# KiCad board skean.kicad_pcb (continued)
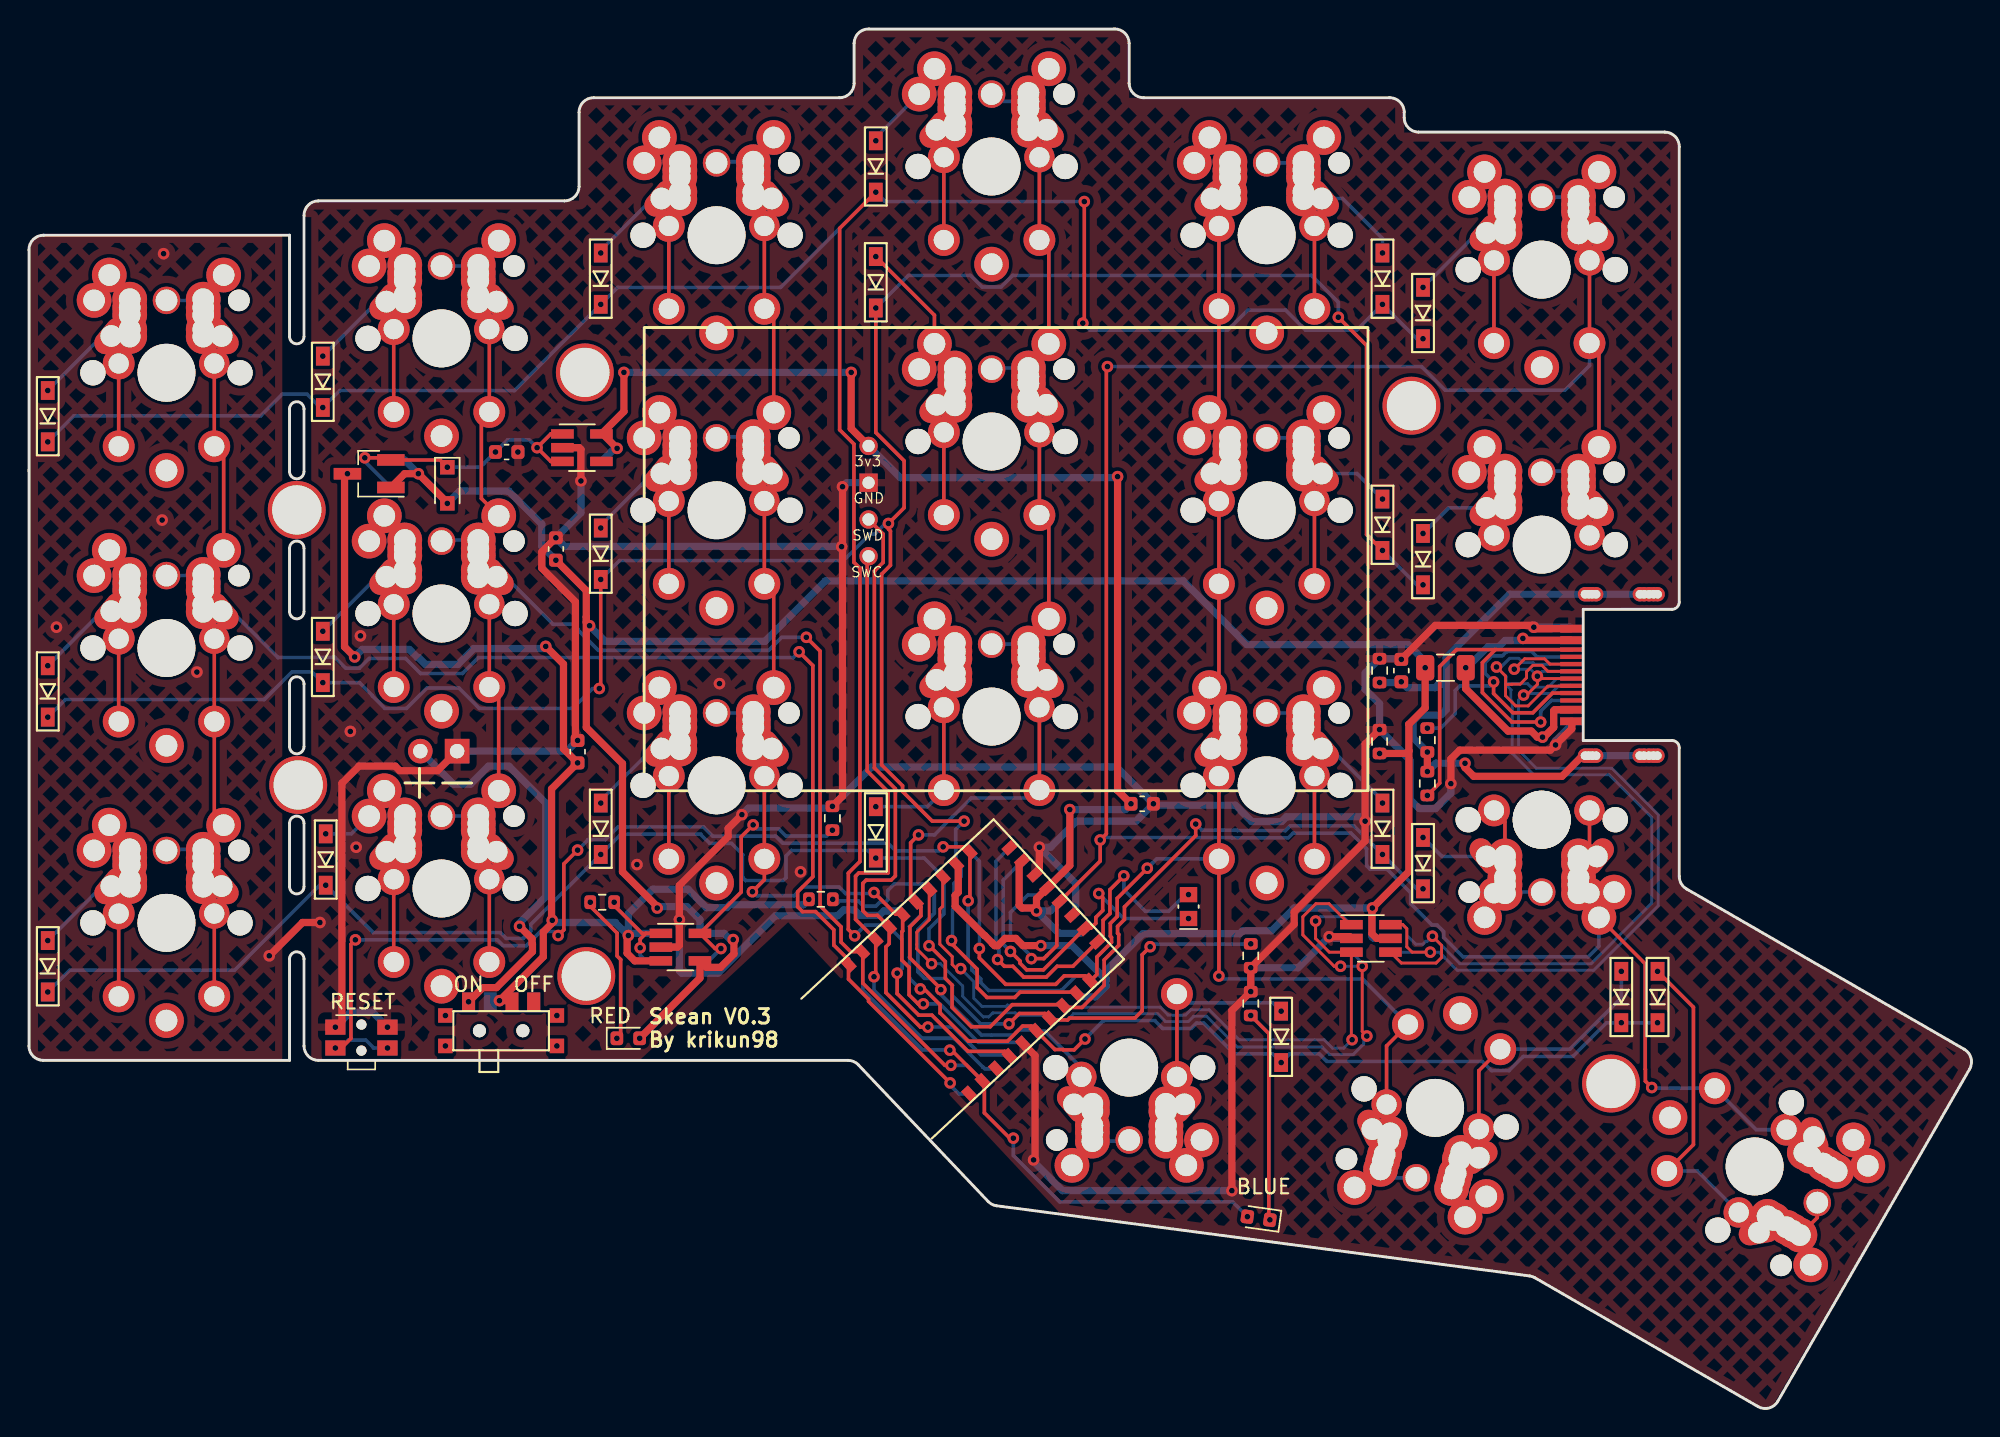
[diagram p0: board, top side]
## Nets
GND: C1.2 C2.2 C3.1 C4.2 C5.2 J2.2 J3.A1 J4.1 R3.2 R6.2 R8.2 R9.2 R10.2 RSW1.2 U1.5 U1.21 U2.2 U3.2 U4.2
GNDS: C3.2 J3.S1 R4.2 R5.2 R10.1
VBAT: C4.1 Q2.3 R2.1 SW1.2 U3.3
VBUS: C5.1 D23.2 D24.2 F1.2 Q2.1 R6.1 U1.27 U3.4 U4.5
/P0.00: U1.11 X1.2
/P0.01: U1.13 X1.1
BATTERY_PIN: R2.2 R3.1 U1.7
BLUE_LED: D25.2 U1.2
CC1: J3.A5 R5.1
CC2: J3.B5 R4.1
COL0: K1.2 K7.2 K13.2 U1.43
COL1: K2.2 K8.2 K14.2 U1.41
COL2: K3.2 K9.2 K15.2 U1.35
COL3: K4.2 K10.2 K16.2 K20.2 U1.33
COL4: K5.1 K11.1 K17.1 K21.2 U1.10
COL5: K6.2 K12.2 K18.1 K22.1 U1.17
DATA+: U1.31 U4.1
DATA-: U1.29 U4.3
nRF_VDD: C2.1 J2.1 U1.19 U1.23 U2.5
RESET: RSW1.1 U1.26
ROW0: D1.1 D2.1 D3.1 D4.1 D5.1 D6.1 U1.4
ROW1: D7.1 D8.1 D9.1 D10.1 D11.1 D12.1 U1.9
ROW2: D13.1 D14.1 D15.1 D16.1 D17.1 D18.1 U1.8
ROW3: D20.1 D21.1 D22.1 U1.6
SWC: J2.4 U1.39
SWD: J2.3 U1.37
USBN: J3.A7 J3.B7 U4.4
USBP: J3.A6 J3.B6 U4.6
Net-(D1-A): D1.2 K1.1
Net-(D2-A): D2.2 K2.1
Net-(D3-A): D3.2 K3.1
Net-(D4-A): D4.2 K4.1
Net-(D5-A): D5.2 K5.2
Net-(D6-A): D6.2 K6.1
Net-(D7-A): D7.2 K7.1
Net-(D8-A): D8.2 K8.1
Net-(D9-A): D9.2 K9.1
Net-(D10-A): D10.2 K10.1
Net-(D11-A): D11.2 K11.2
Net-(D12-A): D12.2 K12.1
Net-(D13-A): D13.2 K13.1
Net-(D14-A): D14.2 K14.1
Net-(D15-A): D15.2 K15.1
Net-(D16-A): D16.2 K16.1
Net-(D17-A): D17.2 K17.2
Net-(D18-A): D18.2 K18.2
Net-(D20-A): D20.2 K20.1
Net-(D21-A): D21.2 K21.1
Net-(D22-A): D22.2 K22.2
Net-(D23-K): C1.1 D23.1 Q2.2 U2.1 U2.3
Net-(D24-K): D24.1 R7.1
Net-(D25-K): D25.1 R9.1
Net-(F1-Pad1): F1.1 J3.A4
Net-(J4-Pin_2): J4.2 SW1.1
Net-(U3-PROG): R8.1 U3.5
Net-(U3-STAT): R7.2 U3.1

Pads without a net: J3 A8 B8; SW1 3 H; U1 1 3 15 25; U2 4

## Via types
v1: diameter 0.8, hole 0.4, Top to Bottom, 200 vias

## Routing (per net, layer and track width the routed paths; a pad name or vN(x,y) marks a point on that pad's centre or on a via; arc(x,y) is an arc through that point)
GND: length 328.8
  Top w0.5: v1(83.1,15.02) 83.1,27.46 v1(84.4,28.77) v1(84.4,30.42) 87.4,33.42 87.4,34.27 92.3,39.17 v1(92.3,40.54) 92.3,45.87 v1(93.3,46.87) ; v1(98.22,43.13) 98.22,44.84 98.83,45.45 105.1,45.45 v1(105.45,45.81) 106.57,46.93 J3.A1 ; v1(21.17,26.31) 21.62,26.76 21.62,43.16 22.8,44.34 25.3,44.34 25.61,44.03 28.22,44.03 J4.1 ; U2.2 38,66.34 38.13,66.22 v1(38.13,64.04) ; v1(49.25,40.99) 48.3,40.04 48.3,39.47 44.93,36.1 v1(44.93,33.74) 44.93,31.97 44.8,31.84 U3.2 ; v1(69.8,38.74) 69.8,37.18 U1.21 ; U4.2 91.23,32.56 v1(89.82,32.56) ; U1.5 69.5,24.35 69.5,17.24 v1(69.4,17.14) ; v1(37.9,46.12) 37.75,46.27 37.75,55.69 35.42,58.02 35.42,59.14 v1(36.4,60.12) ; v1(94.8,51.72) 97.15,54.07 103.83,54.07 v1(103.96,53.94) 104.05,53.84 J3.A1 ; v1(55.5,41.57) 56.2,42.27 v1(56.2,63.64) ; v1(16.6,31.24) 18.9,33.54 v1(20.1,33.54)
  Bottom w0.5: J3.A1 106.47,53.94 v1(103.96,53.94) ; J2.2 56.48,63.92 v1(56.2,63.64) ; U2.2 38,66.34 38.13,66.22 v1(38.13,64.04) 38.13,61.85 v1(36.4,60.12) 37,59.52 56.13,59.52 v1(56.14,59.5) ; v1(77.67,41.74) 77.77,41.64 83.34,41.64 84.46,40.52 86.54,40.52 86.86,40.84 92,40.84 v1(92.3,40.54) ; v1(77.67,41.74) 76.48,40.54 72.37,40.54 70.57,38.74 v1(69.8,38.74) 72.31,36.23 72.31,34.3 U1.21 ; v1(77.67,41.74) 75.13,44.29 58.22,44.29 v1(55.5,41.57) 55.37,41.44 49.7,41.44 v1(49.25,40.99) ; v1(94.8,51.72) 94.75,51.77 v1(93.3,51.77) 92.3,50.77 92.3,49.65 93.3,48.65 v1(93.3,46.87) 95.4,44.77 95.4,42.05 96.04,41.42 97.16,41.42 98.22,42.48 v1(98.22,43.13) ; v1(24.77,26.31) 23.74,27.34 22.2,27.34 v1(21.17,26.31) ; v1(105.45,45.81) 105.45,46.09 106.57,47.21 J3.A1 ; v1(37.9,46.12) 37.16,45.38 J4.1 ; U1.5 60.11,34.34 59.06,34.34 58.75,34.04 57.39,34.04 57.02,34.42 56.27,34.42 55.86,34.01 51.56,34.01 47.6,30.04 45.09,30.04 44.93,30.21 44.93,31.84 U3.2 44.8,31.84 44.93,31.97 v1(44.93,33.74) ; v1(83.1,15.02) 71.4,15.02 69.4,17.02 v1(69.4,17.14) ; U4.2 89.94,32.44 v1(89.82,32.56) 87.67,30.42 v1(84.4,30.42)
  vias: v1(1.9,53.94) v1(9.2,61.34) v1(9.3,79.74) v1(11.6,50.84) v1(22.2,46.74) v1(22.6,38.74) v1(22.9,53.34) v1(33.77,66.04) v1(42,37.54) v1(47.7,50.04) v1(53.3,37.04)
GNDS: length 49.5
  Top w0.5: v1(99.2,44.54) 99.2,44.24 99.8,43.64 105.9,43.64 107.32,45.07 J3.S1 ; v1(96.6,43.97) v1(96.6,45.32)
  Bottom w0.5: v1(96.6,43.97) 97.18,44.54 v1(99.2,44.54) ; v1(93.3,50.12) 94.75,50.12 v1(94.8,50.17) 95.2,49.76 97.14,49.76 97.37,49.99 97.85,49.99 97.9,50.04 ; v1(96.6,45.32) 95.6,46.32 95.6,47.43 96.04,47.87 97.52,47.87 97.9,48.24 97.9,50.04 ; 97.9,50.04 97.9,51.85 102.27,56.22 J3.S1 107.49,56.22 J3.S1 ; J3.S1 J3.S1
VBAT: length 83.9
  Top w0.5: SW1.2 33.29,28.14 v1(32.5,28.14) 35.53,31.17 35.53,32.89 36.15,33.51 v1(36.15,33.69) 36.1,33.74 36.1,42.77 v1(37.9,44.57) 36.92,45.54 36.92,51.39 v1(35.7,52.62) ; v1(22,64.54) 21.8,64.34 21.8,52.59 v1(22.5,51.89) ; v1(41.4,32.64) 41.32,32.56 41.32,31.42 41.85,30.89 U3.3
  Bottom w0.5: v1(22.5,51.89) 23.02,52.41 26.28,52.41 26.84,51.84 26.92,51.84 27.4,51.37 29.62,51.37 30.72,52.47 35.55,52.47 v1(35.7,52.62) ; v1(36.15,33.69) 36.3,33.54 40.5,33.54 v1(41.4,32.64) ; v1(41.4,32.64) 41.55,32.79 U3.3 ; v1(41.4,32.64) 41.4,34.15 43.1,35.84 45.52,35.84 46.8,34.57 48.2,34.57 48.4,34.77 53.5,34.77 v1(53.87,35.14) ; SW1.2 32.42,28.06 v1(32.5,28.14)
VBUS: length 192.7
  Top w0.5: v1(96.45,51.14) 96.45,48.37 95.31,47.23 95.32,47.22 95.32,45.39 ; 38.5,54.64 38.5,56.47 v1(36.4,58.57) ; 38.5,54.64 38.5,47.02 41,44.52 41,37.04 43.4,34.64 v1(43.4,34.54) ; 38.5,54.64 38.5,54.27 v1(38.73,54.04) ; v1(28.9,62.49) 28.9,62.54 v1(26.9,64.54) 25.95,64.54 Q2.1 ; v1(48.65,32.36) 48.7,32.31 48.7,31.37 47.77,30.44 46.8,30.44 U3.4 46.35,29.7 v1(42.19,25.54) ; v1(69.9,31.94) 69.9,31.95 68.87,31.95 68.86,31.94 68.67,31.94 68.17,32.44 67.43,32.44 66.93,31.94 66.71,31.94 66.55,32.09 66.55,32.11 66.03,32.64 66.01,32.64 63.98,34.67 63.98,35.41 64.19,35.63 64.19,37.43 U1.27 ; 95.32,45.39 95.15,45.22 v1(93.3,45.22) ; 95.32,45.39 95.32,37.07 v1(92.8,34.54) 92.77,34.51 92.77,32.77 93.1,32.44 U4.5
  Bottom w0.5: D24.2 v1(42.19,25.54) ; U4.5 92.89,32.44 92.77,32.57 92.77,34.51 v1(92.8,34.54) 87.4,34.54 85.82,32.97 83.84,32.97 83.64,32.77 76.95,32.77 74.4,30.21 74.4,29.61 ; 74.4,29.61 74.4,29.14 73.67,28.41 72.61,28.41 U1.27 ; 74.4,29.61 72.07,31.94 v1(69.9,31.94) ; v1(96.45,51.14) F1.2 96.45,51.57 95.28,52.74 84.13,52.74 79.73,57.14 55.02,57.14 50.84,52.97 39.8,52.97 v1(38.73,54.04) ; Q2.1 25.95,65.49 v1(26.9,64.54) ; v1(36.4,58.57) 35.42,59.54 35.42,61.07 33.15,63.34 29.75,63.34 v1(28.9,62.49) ; v1(48.65,32.36) 48.45,32.36 48.02,32.79 U3.4 46.35,33.74 45.45,34.64 43.5,34.64 v1(43.4,34.54)
(no net):
  vias: v1(28.77,27.11) v1(28.77,25.01) v1(36.47,27.11) v1(36.47,25.01)
/P0.00: length 28.5
  Top w0.25: v1(66.91,30.99) 67.38,30.52 67.97,30.52 68.71,29.77 70.28,29.77 71.03,30.52 72.12,30.52 U1.11 74.2,32.6 74.2,33.69 74.67,34.16 74.67,35.81 v1(75.63,36.76)
  Bottom w0.25: v1(75.63,36.76) 75.63,35.81 77.12,34.32 78.72,34.32 79.87,35.47 v1(80.1,35.47) ; v1(66.91,30.99) 67,31.08 67,31.64 66.8,31.84 66.8,37.77 U1.11
/P0.01: length 24.1
  Top w0.25: v1(73.9,35.54) 74.17,35.27 74.17,34.37 73.7,33.9 73.7,33.49 73.36,33.15 U1.13 70.07,30.27 68.92,30.27 68.47,30.73 68.47,30.88 v1(67.8,31.54)
  Bottom w0.25: U1.13 67.3,36.47 67.3,32.04 v1(67.8,31.54) ; v1(73.9,35.54) 75.63,33.82 v1(80.1,33.82)
BATTERY_PIN: length 44.4
  Top w0.25: v1(77.45,31.87) 76.9,31.32 76.9,27.44 76.4,26.94 71.89,26.94 71.75,26.81 70.63,26.81 U1.7 70.18,27.26 68.41,27.26 v1(67.7,26.54)
  Bottom w0.25: v1(55.52,35.14) 55.82,34.85 56.01,35.04 57.28,35.04 57.65,34.66 58.5,34.66 58.8,34.97 59.18,34.97 59.33,35.11 59.33,35.75 59.78,36.21 61.83,36.21 U1.7 62.54,35.5 62.54,34.18 61.4,33.04 61.4,30.14 61.87,29.68 63.31,29.68 63.8,29.19 63.8,28.47 65.73,26.54 v1(67.7,26.54) ; v1(84.4,32.07) 84.38,32.04 77.62,32.04 v1(77.45,31.87)
BLUE_LED: length 37.6
  Top w0.25: v1(68,18.64) 67.75,18.64 66,20.39 66,22.46 U1.2 63.74,24.72 v1(63.61,24.72)
  Bottom w0.25: v1(68,18.64) 68,17.44 71.2,14.24 83.14,14.24 v1(84.17,13.22) ; v1(63.61,24.72) 63.59,24.74 61.72,24.74 57.6,28.86 57.6,31.46 U1.2
CC1: length 22.2
  Top w0.25: J3.A5 105.25,49.39 103.89,48.03 102.5,48.03 101.17,49.36 v1(101.17,50.16)
  Bottom w0.25: v1(96.6,46.97) 97.51,46.97 98.52,47.98 98.52,49.57 98.84,49.89 100.9,49.89 v1(101.17,50.16) 100.6,50.74 100.6,51.51 101.05,51.97 101.79,51.97 102.09,52.27 103.8,52.27 104.18,51.89 J3.A5
CC2: length 30.3
  Top w0.25: v1(96.6,42.32) 97.45,43.17 97.45,51.23 98.62,52.39 101.3,52.39 ; v1(104.43,47.39) 102.43,47.39 100.4,49.43 100.4,51.49 101.3,52.39 ; 101.3,52.39 J3.B5
  Bottom w0.25: J3.B5 105.17,48.88 104.43,48.14 v1(104.43,47.39)
COL0: length 144.7
  Top w0.25: K1.2 12.04,76.86 K1.2 12.08,74.06 K1.2 12.8,73.55 K1.2 K1.2 13.45,65.79 K7.2 12.04,57.84 K7.2 ; K13.2 13.27,36.02 K13.2 ; K13.2 12.04,34.92 K13.2 K13.2 ; K13.2 K13.2 13.45,40.01 K13.2 12.8,40.92 K7.2 K7.2 12.04,53.9 K7.2 ; K7.2 13.27,55 K7.2 ; v1(63.63,22.46) 58,28.09 58,28.24 56.61,29.63 U1.43 56.61,31.02 56.56,31.02 55.6,31.98 55.6,33.04 54.34,34.29 53.44,34.29 53.1,34.63 53.1,35.66 54.15,36.71 54.15,51.29 v1(53.2,52.24)
  Bottom w0.25: U1.43 64.24,21.7 63.63,22.31 v1(63.63,22.46) ; K7.2 11.96,57.5 K7.2 ; K1.2 11.96,76.52 K1.2 ; K7.2 14,55.04 17.2,51.84 17.21,51.85 21.14,51.85 21.88,51.11 22.83,51.11 23.5,51.78 26.02,51.78 27.06,50.74 29.94,50.74 31.04,51.84 52.8,51.84 v1(53.2,52.24) ; K13.2 9.58,38.6 K13.2
COL1: length 126.8
  Top w0.25: K14.2 K14.2 31.8,37.63 K14.2 ; K8.2 K8.2 32.45,49.16 K14.2 31.04,41.23 K14.2 ; K8.2 31.8,56.63 K8.2 31.04,60.23 K8.2 31.25,62.84 31.25,68.26 K2.2 K2.2 31.8,75.92 K2.2 31.08,76.43 K2.2 31.04,79.23 K2.2 ; K8.2 31.8,56.92 K8.2 ; K14.2 31.08,38.43 K14.2 ; v1(53.7,53.24) 54.65,52.29 54.65,34.69 56.1,33.24 56.1,32.18 56.76,31.52 U1.41 57.6,31.46 57.6,29.35 63.27,23.68 v1(63.69,23.68)
  Bottom w0.25: K2.2 30.96,78.89 K2.2 ; K14.2 30.96,40.89 K14.2 ; K8.2 28.58,59.97 K8.2 ; U1.41 64.79,23.68 v1(63.69,23.68) ; v1(53.7,53.24) 52,53.24 51.1,52.34 39.33,52.34 37.95,53.72 37.95,53.79 37.6,54.14 36.2,54.14 32.92,57.43 K8.2
COL2: length 92
  Top w0.25: K15.2 50.04,48.36 K15.2 51.45,56.29 K9.2 K9.2 50.8,64.05 K9.2 51.27,64.52 K9.2 50.04,67.36 K9.2 51.45,75.29 K3.2 K3.2 ; K15.2 K15.2 50.8,36.49 v1(49.97,35.67) ; K15.2 50.8,45.05 K15.2 ; K15.2 50.8,44.76 K15.2 ; K3.2 50.04,86.36 K3.2 50.08,83.56 K3.2 ; v1(61.78,27.92) 61.42,27.92 60.8,28.54 60.8,30.44 60.3,30.94 60.3,32.9 60.35,32.95 60.35,34.09 U1.35 59.87,34.12 v1(58.37,35.61)
  Bottom w0.25: K15.2 49.96,48.02 K15.2 ; v1(58.37,35.61) 58.3,35.54 56.42,35.54 55.96,35.99 53.44,35.99 53.1,35.66 53.1,35.64 52.85,35.39 50.25,35.39 v1(49.97,35.67) ; K9.2 47.58,67.1 K9.2 ; U1.35 68.58,25.26 65.59,25.26 62.94,27.92 v1(61.78,27.92) ; K3.2 47.58,86.1 K3.2
COL3: length 112.4
  Top w0.25: K4.2 69.04,91.11 K4.2 69.5,88.31 K4.2 69.8,87.8 K4.2 K4.2 70.45,80.04 K10.2 69.04,72.11 K10.2 ; v1(62.99,28.9) 62.99,28.96 60.85,31.1 60.85,33.24 61.61,34 61.61,34.63 U1.33 60.9,35.34 60.9,39.05 v1(61.45,39.59) ; K20.2 73.46,22.12 K20.2 72.05,17.03 K20.2 ; K10.2 69.08,69.31 K10.2 ; K20.2 72.19,20.29 K20.2 ; K16.2 70.31,48.92 K16.2 ; K16.2 69.04,49.17 K16.2 70.45,54.26 K16.2 70.45,61.04 K10.2 K10.2 69.8,68.51 K10.2 ; K16.2 K16.2
  Bottom w0.25: K4.2 67,90.27 K4.2 ; K16.2 68.96,52.77 K16.2 ; K16.2 69.26,42.14 65.1,42.14 62.55,39.59 v1(61.45,39.59) ; v1(62.99,28.9) 62.99,28.57 65.8,25.76 68.02,25.76 68.39,26.13 68.39,26.13 69.51,26.13 U1.33 70.17,26.03 72.7,23.51 K20.2 ; K10.2 66.58,71.85 K10.2 ; K20.2 75.92,18.44 K20.2
COL4: length 136.3
  Top w0.25: K11.1 80.5,67.72 K11.1 ; K11.1 81.55,68.51 K11.1 82.96,63.42 K11.1 K11.1 82.2,50.42 K17.1 ; K11.1 82.2,69.42 K5.1 K5.1 82.2,82.76 K5.1 82.96,86.36 K5.1 80.5,86.72 K5.1 ; K17.1 80.5,48.72 K17.1 ; K21.2 92.12,15.24 K21.2 93.37,17.96 K21.2 93.57,18.49 K21.2 ; K17.1 82.96,44.42 K17.1 K17.1 v1(82.2,29.84) ; K5.1 82.5,83.56 K5.1 ; v1(77.25,37.29) 75.17,35.21 75.17,33.96 74.7,33.48 74.7,32.59 74.78,32.51 74.78,32.17 73.77,31.16 73.77,29.95 U1.10 72.97,29.85 71.51,29.85 70.93,29.27 67.47,29.27 65.65,31.09 v1(65.65,31.74) ; K11.1 81.69,64.75 K11.1 ; K21.2 93.78,19.23 K21.2 93.78,25.02 K21.2 ; K17.1 82.96,48.36 K17.1 ; K17.1 81.69,45.75 K17.1
  Bottom w0.25: U1.10 65.65,37.77 v1(65.65,31.74) ; v1(77.25,37.29) 77.9,37.94 K17.1 ; K21.2 93.95,15.91 K21.2 ; v1(82.2,29.84) 82.4,29.64 92.12,29.64 K21.2
COL5: length 209.7
  Top w0.25: K18.1 K18.1 108.45,34.15 K18.1 ; K18.1 107.8,38.9 K18.1 ; K18.1 107.08,38.1 K18.1 ; K6.2 107.8,80.38 K6.2 K6.2 108.45,72.91 K12.2 107.04,64.98 K12.2 107.8,61.38 K12.2 ; K6.2 107.08,81.18 K6.2 ; K6.2 107.04,83.98 K6.2 ; K18.1 108.45,34.59 K18.1 ; K18.1 111.65,30.69 111.65,23.41 111.66,23.4 111.66,22.58 v1(112.1,22.14) ; v1(74.5,71.94) 74.42,71.87 74.42,39.67 v1(74,39.24) 74,37.79 U1.17 71,34.79 71,31.94 70.1,31.05 v1(69.24,31.05) ; K12.2 107.5,62.18 K12.2
  Bottom w0.25: K22.1 126.03,17.73 K22.1 123.54,16.74 K22.1 123.31,18.31 K22.1 121.92,18.72 K22.1 119.32,19.23 K22.1 112.15,22.09 v1(112.1,22.14) ; U1.17 69.86,35.44 69,35.44 67.8,34.24 67.8,32.64 69.24,31.2 v1(69.24,31.05) ; v1(74.5,71.94) 96.2,71.94 97.83,70.32 106.11,70.32 107.8,72.01 K6.2 ; v1(74,39.24) 74.17,39.41 83.1,39.41 83.12,39.39 87,39.39 87.33,39.72 91.32,39.72 92.4,38.64 92.4,37.47 92.65,37.22 93.82,37.22 95.45,35.59 95.45,34.84 96.92,33.37 97.27,33.37 97.72,32.91 97.72,32.52 99.07,31.17 107.72,31.17 108.45,31.9 K18.1 ; K6.2 106.96,83.64 K6.2 ; K12.2 104.58,64.72 K12.2
DATA+: length 57.5
  Top w0.2: v1(90.6,30.52) 90.16,30.52 88,32.68 88,33.94 88.9,34.84 89.8,34.84 91.25,33.39 U4.1 ; v1(62.35,30.69) 61.33,31.72 61.33,32.87 62.19,33.73 U1.31 ; v1(92.1,30.52) 92.1,26.02 v1(92.42,25.7)
  Bottom w0.2: v1(62.35,30.69) 62.97,30.69 64.5,29.16 64.5,28.44 65.93,27.02 66.3,27.02 66.57,27.29 68.15,27.29 68.3,27.14 70.29,27.14 U1.31 70.61,26.83 71.74,26.83 72.16,27.24 77.97,27.24 78.51,26.7 80.09,26.7 80.46,27.07 81.34,27.07 83.46,24.94 89.33,24.94 89.85,24.42 91.47,24.42 92.2,25.14 92.2,25.64 92.36,25.64 v1(92.42,25.7) ; v1(90.6,30.52) v1(92.1,30.52) 92.1,30.74 U4.1
DATA-: length 50.8
  Top w0.2: U1.29 63.12,34.66 62.92,34.47 62.92,32.04 63.77,31.19 63.77,30.64 64.06,30.35 v1(64.36,30.35) ; v1(88.88,33.64) 88.88,32.44 89.83,31.49 U4.3 91.35,25.49 v1(91.4,25.44)
  Bottom w0.2: v1(88.88,33.64) 89.18,33.94 90.8,33.94 U4.3 ; v1(91.4,25.44) 90.82,24.87 90.04,24.87 89.46,25.44 83.6,25.44 81.53,27.52 80.27,27.52 79.9,27.15 78.7,27.15 78.15,27.69 71.54,27.69 U1.29 71.39,27.84 67.6,27.84 67.5,27.74 65.84,27.74 65.27,28.31 65.27,29.45 v1(64.36,30.35)
nRF_VDD: length 93.1
  Top w0.5: v1(75.2,64.34) 75.2,42.67 v1(76.12,41.74) ; U1.23 68.4,37.57 68.4,34.74 68.6,34.54 69.4,34.54 v1(69.6,34.34) 69.6,35.18 U1.19 71.9,37.48 v1(71.9,41.34) ; v1(41.1,71.54) 41.1,68.84 U2.5 39.63,67.29 v1(40.63,66.29) ; J2.1 56.8,67.66 v1(56.8,71.54)
  Bottom w0.5: J2.1 60.2,64.27 75.12,64.27 v1(75.2,64.34) ; v1(71.9,41.34) 75.73,41.34 v1(76.12,41.74) ; v1(40.63,66.29) 40.45,66.29 U2.5 ; U1.23 72.6,32.8 71.15,32.8 v1(69.6,34.34) 70.56,34.34 U1.19 ; v1(41.1,71.54) v1(56.8,71.54)
RESET: length 80
  Top w0.25: v1(36.56,32.64) 36.95,33.04 36.95,37.59 v1(37.9,38.54) ; v1(21.17,24.87) 21.58,24.87 22.24,25.53 22.24,32.03 v1(22.55,32.34) ; v1(63.15,38.77) 64.66,38.77 U1.26 65,38.43 65,35.16 v1(64.88,35.04)
  Bottom w0.25: v1(64.88,35.04) 64.88,30.94 65.14,30.68 65.14,30.25 65.74,29.65 65.74,29.4 66.3,28.84 71.3,28.84 72.31,29.85 72.97,29.85 U1.26 ; v1(63.15,38.77) 62.88,38.49 59.87,38.49 59.35,39.02 52.08,39.02 51.58,39.51 47.23,39.51 46.6,40.14 40.69,40.14 39.82,39.27 38.6,39.27 38.6,39.24 v1(37.9,38.54) ; v1(24.77,24.87) 23.81,24.87 23.27,25.42 22.07,25.42 21.53,24.87 v1(21.17,24.87) ; v1(36.56,32.64) 36.28,32.92 35.33,32.92 34.36,31.94 32.76,31.94 32.36,32.34 v1(22.55,32.34)
ROW0: length 185.7
  Top w0.25: v1(59.97,30.04) 59.97,28.63 61.47,27.14 62.37,27.14 64.87,24.64 67.41,24.64 U1.4 ; v1(58.5,83.99) 56,81.49 56,67.58 56.99,66.59 56.99,58.42 57.4,58.01 57.4,37.75 56.6,36.95 56.6,33.06 v1(57.04,32.62) ; v1(72.8,74.94) 72.9,75.04 v1(72.9,83.34)
  Bottom w0.25: v1(57.04,32.62) 57.77,33.35 59.3,33.35 U1.4 60.32,32.33 60.32,30.39 v1(59.97,30.04) ; v1(1.3,66.74) 3.1,68.54 16,68.54 17.5,70.04 19.2,70.04 20.13,69.12 v1(20.3,69.12) 21.47,70.29 33.54,70.29 v1(39.5,76.24) 40.67,77.41 51.92,77.41 v1(58.5,83.99) 59.15,83.34 v1(72.9,83.34) ; v1(96.3,73.87) 95.87,73.87 v1(93.5,76.24) 91.72,74.46 88.19,74.46 86.81,75.84 84.19,75.84 82.81,74.46 73.28,74.46 v1(72.8,74.94)
ROW1: length 188.7
  Top w0.25: v1(90.45,75.35) 92.4,73.4 92.4,60.34 v1(93.5,59.24) ; v1(58.5,75.99) 58.5,67.39 60.46,65.44 60.46,62.19 v1(59.37,61.11) 59.37,60.72 59.51,60.58 59.51,58.22 58.9,57.61 58.9,44.43 60.35,42.98 60.35,42.59 62.4,40.54 v1(64.6,40.54) ; v1(39.5,57.24) 39.5,49.81 v1(39.4,49.7) ; U1.9 72.29,28.73 68.47,28.73 68.1,28.36 66.18,28.36 65.5,29.04 65.5,30.31 63.73,32.09 v1(63.73,32.3)
  Bottom w0.25: v1(39.4,49.7) 38.94,49.7 37.56,48.33 31.11,48.33 29.7,49.74 27.49,49.74 26.08,48.33 24.59,48.33 23.72,49.19 23.72,49.22 22.83,50.11 v1(20.3,50.11) 19.56,50.85 18.17,50.85 16.26,48.94 2.51,48.94 v1(1.3,47.73) ; v1(93.5,59.24) 95.87,56.87 v1(96.3,56.87) ; v1(64.6,40.54) 64.02,39.97 64.02,37.61 U1.9 64.4,37.23 64.4,36.74 63.9,36.24 63.9,34.54 63.8,34.44 63.8,32.37 v1(63.73,32.3) ; v1(39.5,57.24) 40.8,58.54 56.27,58.54 58.1,60.37 58.42,60.37 59.15,61.11 v1(59.37,61.11) ; v1(90.45,75.35) 90.45,76.39 88.59,78.24 67.95,78.24 67.15,77.44 65.85,77.44 65.05,78.24 60.75,78.24 v1(58.5,75.99)
ROW2: length 128.6
  Top w0.25: v1(62.17,31.93) 62.21,31.93 63.3,30.84 63.3,29.69 63.77,29.22 63.77,27.68 65.1,26.34 66.4,26.34 67.93,27.86 71.37,27.86 U1.8 71.56,27.67 72.74,27.67 74.27,29.2 74.27,30.95 75.28,31.96 75.28,32.72 75.2,32.8 75.2,33.28 75.67,33.75 75.67,34.62 80.6,39.54 v1(80.6,40.34)
  Bottom w0.25: v1(62.17,31.93) 62.17,33.11 63.2,34.14 63.2,36.63 U1.8 61.84,37.99 v1(58.5,37.99) 57.97,38.52 52.67,38.52 52.3,38.14 52.3,36.64 52.1,36.44 49.5,36.44 49.3,36.64 49.3,38.24 48.53,39.01 47.03,39.01 46.39,39.64 40.9,39.64 v1(39.5,38.24) 34.66,33.41 34.66,32.96 34.15,32.44 32.96,32.44 32.56,32.84 23.77,32.84 v1(20.5,36.12) 20.07,36.12 14.2,30.24 2.8,30.24 v1(1.3,28.74) ; v1(80.6,40.34) 81.03,39.91 83.44,39.91 83.46,39.89 86.79,39.89 87.12,40.22 91.52,40.22 v1(93.5,38.24) 95.87,35.87 v1(96.3,35.87)
ROW3: length 65.1
  Top w0.25: v1(61.57,28.95) 61.85,28.95 62.94,27.86 62.94,27.28 62.96,27.28 64.9,25.34 67.6,25.34 68.64,26.39 69.25,26.39 U1.6 70.87,24.77 71.44,24.77 71.46,24.74 72.2,24.74 v1(72.95,25.49)
  Bottom w0.25: v1(72.95,25.49) 74.22,26.77 77.77,26.77 78.32,26.22 80.28,26.22 80.65,26.59 81.14,26.59 83.27,24.47 85.9,24.47 v1(86.5,23.87) 87.1,24.47 89.13,24.47 89.66,23.94 100.4,23.94 101.03,23.31 102.25,23.31 103.22,24.29 106.65,24.29 108.98,26.62 v1(110,26.62) v1(112.5,26.62) ; U1.6 61.61,34.63 61.61,34.05 60.82,33.27 60.82,29.7 v1(61.57,28.95)
SWC: length 44.1
  Top w0.25: v1(58.37,29.79) 58.5,29.92 58.5,32.36 U1.39 57.1,33.76 57.1,36.74 57.32,36.97 59.35,36.97 59.35,42.57 57.9,44.02 57.9,58.74 J2.4
  Bottom w0.25: U1.39 66.04,23.44 65.94,23.53 65.91,23.53 63.9,25.54 61.7,25.54 58.37,28.87 v1(58.37,29.79)
SWD: length 47.5
  Top w0.25: v1(62.1,26.32) 61.58,26.32 59.2,28.7 59.2,31.86 59.43,32.09 59.43,33.23 U1.37 58.62,34.04 57.93,34.04 57.6,34.36 57.6,36.24 57.82,36.47 59.56,36.47 59.85,36.76 59.85,42.77 58.4,44.22 58.4,57.83 58.42,57.83 59.01,58.42 59.01,60.37 J2.3
  Bottom w0.25: v1(62.1,26.32) 63.83,26.32 65.75,24.4 67.65,24.4 U1.37
USBN: length 74.9
  Top w0.2: U4.4 94.8,30.74 97.2,30.74 97.58,31.12 97.58,31.96 v1(96.95,32.59) ; v1(101.37,51.19) 102,50.57 102,49.99 ; J3.B7 106.55,49.87 104.92,49.87 103.56,48.5 102.7,48.5 102,49.2 102,49.99 ; 102,49.99 102.43,49.99 102.44,50 103.01,50 103.45,50.44 103.45,50.87 103.89,51.31 104.51,51.31 104.93,50.89 J3.A7
  Bottom w0.2: J3.B7 104.01,51.39 103.9,51.49 103.21,51.49 102.91,51.79 102.29,51.79 101.69,51.19 v1(101.37,51.19) 102.03,50.53 102.03,49.96 102.37,49.62 102.37,48.87 102.45,48.79 102.45,45.24 103.95,43.74 109.16,43.74 112.1,40.81 112.1,34.88 107.91,30.69 98.85,30.69 v1(96.95,32.59) 96.6,32.24 96.49,32.24 96.29,32.04 95.8,32.04 95.18,32.66 95.18,33.12 94.9,33.39 U4.4 ; J3.A7 105.52,50.38 104.95,49.81 103.76,49.81 103.52,50.04 102.03,50.04
USBP: length 63.5
  Top w0.2: U4.6 94.9,33.39 95.18,33.12 95.18,31.86 95.55,31.49 v1(96.8,31.49) ; J3.B6 105.06,51.39 104.7,51.76 103.32,51.76 v1(102.6,51.04) ; v1(103.25,49.25) 103.46,49.25 104.2,49.99 v1(104.2,50.56) 104.37,50.39 J3.A6
  Bottom w0.2: J3.B6 106.53,49.93 105.71,49.93 105.14,49.36 103.35,49.36 v1(103.25,49.25) 102.9,48.91 102.9,45.43 104.14,44.19 109.35,44.19 112.55,40.99 112.55,34.69 108.1,30.24 98.66,30.24 97.41,31.49 v1(96.8,31.49) U4.6 ; J3.A6 104.53,50.89 v1(104.2,50.56) 103.72,51.04 v1(102.6,51.04)
Net-(D1-A): length 23
  Top w0.25: K1.1 5.69,72.67 K1.1 ; K1.1 6.2,73.26 K1.1 6.96,76.86 K1.1 4.5,77.22 K1.1 ; K1.1 K1.1
  Bottom w0.25: v1(1.3,70.29) 5.06,74.06 K1.1
Net-(D2-A): length 22.3
  Top w0.25: K2.1 25.5,76.43 K2.1 ; K2.1 23.5,79.59 K2.1 25.96,79.23 K2.1 25.2,75.63 K2.1 K2.1
  Bottom w0.25: v1(20.3,72.67) 24.06,76.43 K2.1
Net-(D3-A): length 22.2
  Top w0.25: K3.1 44.5,83.56 K3.1 ; K3.1 42.5,86.72 K3.1 44.96,86.36 K3.1 44.2,82.76 K3.1 K3.1
  Bottom w0.25: K3.1 43.09,83.56 39.5,79.97 v1(39.5,79.79)
Net-(D4-A): length 21.4
  Top w0.25: K4.1 62.69,88.5 K4.1 ; K4.1 K4.1 63.2,87.51 K4.1 63.96,91.11 K4.1 61.5,91.47 K4.1
  Bottom w0.25: K4.1 58.5,87.77 v1(58.5,87.54)
Net-(D5-A): length 23
  Top w0.25: K5.2 K5.2 88.8,83.05 K5.2 88.5,83.56 K5.2 ; K5.2 88.04,86.36 K5.2
  Bottom w0.25: v1(93.5,79.79) 93.5,80.79 90.74,83.56 K5.2 ; K5.2 87.96,86.02 K5.2
Net-(D6-A): length 22.1
  Top w0.25: K6.1 101.92,81.18 K6.1 ; K6.1 101.2,80.38 K6.1 K6.1 ; K6.1 101.96,83.98 K6.1 99.5,84.34 K6.1
  Bottom w0.25: v1(96.3,77.42) 100.06,81.18 K6.1
Net-(D7-A): length 20.8
  Top w0.25: K7.1 6.2,54.53 K7.1 K7.1 ; K7.1 4.5,58.2 K7.1 6.96,57.84 K7.1
  Bottom w0.25: v1(1.3,51.28) 5.06,55.04 K7.1
Net-(D8-A): length 22.1
  Top w0.25: K8.1 K8.1 25.2,56.63 K8.1 ; K8.1 25.92,57.43 K8.1 ; K8.1 23.5,60.59 K8.1 25.96,60.23 K8.1
  Bottom w0.25: v1(20.3,53.66) 24.06,57.43 K8.1
Net-(D9-A): length 21.7
  Top w0.25: K9.1 42.5,67.72 K9.1 44.96,67.36 K9.1 44.5,64.56 K9.1 ; K9.1 K9.1 44.2,63.76 K9.1
  Bottom w0.25: K9.1 43.09,64.56 39.5,60.97 v1(39.5,60.79)
Net-(D10-A): length 23.9
  Top w0.25: v1(58.5,79.54) 62.55,75.49 K10.1 ; K10.1 62.55,73.26 K10.1 63.96,68.17 K10.1 K10.1 ; K10.1 62.55,72.82 K10.1 ; K10.1 63.92,69.31 K10.1
Net-(D11-A): length 22.3
  Top w0.25: K11.2 K11.2 ; K11.2 88.04,63.42 K11.2 89.45,68.51 K11.2 ; K11.2 88.8,64.05 K11.2
  Bottom w0.25: K11.2 91.73,64.56 v1(93.5,62.79) ; K11.2 87.96,67.02 K11.2
Net-(D12-A): length 15.8
  Top w0.25: K12.1 99.5,65.34 K12.1 101.96,64.98 K12.1 101.2,61.38 K12.1 ; K12.1 101.5,62.18 K12.1
  Bottom w0.25: K12.1 98.06,62.18 v1(96.3,60.42)
Net-(D13-A): length 22.1
  Top w0.25: K13.1 4.5,39.22 K13.1 6.96,38.86 K13.1 6.92,36.06 K13.1 6.2,35.55 K13.1 K13.1
  Bottom w0.25: v1(1.3,32.29) 5.06,36.06 K13.1
Net-(D14-A): length 18.4
  Top w0.25: K14.1 25.2,37.92 K14.1 K14.1 ; K14.1 23.5,41.59 K14.1 25.96,41.23 K14.1
  Bottom w0.25: v1(20.5,39.67) 22.27,39.67 K14.1
Net-(D15-A): length 22.2
  Top w0.25: K15.1 44.5,45.56 K15.1 ; K15.1 42.5,48.72 K15.1 44.96,48.36 K15.1 44.2,44.76 K15.1 K15.1
  Bottom w0.25: K15.1 43.09,45.56 39.5,41.97 v1(39.5,41.79)
Net-(D16-A): length 21.5
  Top w0.25: K16.1 61.5,53.47 K16.1 63.96,53.11 K16.1 63.2,49.51 K16.1 K16.1 ; K16.1 63.5,50.31 K16.1
  Bottom w0.25: v1(58.5,41.54) 62.05,41.54 K16.1
Net-(D17-A): length 21.1
  Top w0.25: K17.2 88.8,45.05 K17.2 K17.2 ; K17.2 88.04,48.36 K17.2
  Bottom w0.25: K17.2 87.96,48.02 K17.2 ; K17.2 89.91,45.56 93.5,41.97 v1(93.5,41.79)
Net-(D18-A): length 18.5
  Top w0.25: K18.2 101.92,38.1 K18.2 ; K18.2 101.96,35.3 K18.2 ; K18.2 101.96,40.52 K18.2 ; K18.2 101.2,35.88 K18.2
  Bottom w0.25: v1(96.3,39.42) 97.61,38.1 K18.2 ; K18.2 102.04,35.64 K18.2
Net-(D20-A): length 24.7
  Top w0.25: K20.1 81,17.82 K20.1 78.54,18.18 K20.1 78.54,22.12 K20.1 ; K20.1 79.81,22.37 K20.1 ; K20.1 K20.1
  Bottom w0.25: K20.1 79.91,27.99 85.92,27.99 v1(86.5,27.42)
Net-(D21-A): length 27.4
  Top w0.25: K21.1 100.16,23.31 K21.1 ; K21.1 99.99,17.3 K21.1 ; K21.1 98.94,15.84 K21.1 99.2,14.24 K21.1 100.62,14.61 K21.1
  Bottom w0.25: K21.1 106.45,24.79 110,28.34 v1(110,30.17)
Net-(D22-A): length 34.6
  Top w0.25: K22.2 123.53,13.15 K22.2 ; v1(112.5,30.17) 114.98,27.69 114.98,18.2 K22.2
  Bottom w0.25: K22.2 120.77,13.51 K22.2 115.25,16.37 K22.2 ; K22.2 123.08,11.21 K22.2 ; K22.2 122.16,12.12 K22.2
Net-(D23-K): length 24.6
  Top w0.25: v1(23.2,65.64) 24.85,65.64 Q2.2 28.4,65.49 v1(28.9,64.99) ; U2.1 36.05,65.39 v1(35.1,66.34) 36.05,67.29 U2.1
  Bottom w0.25: v1(23.2,65.64) 23.2,65.39 Q2.2 ; v1(35.1,66.34) 36.05,67.29 U2.1 ; v1(35.1,66.34) 36.05,65.39 U2.1 ; v1(35.1,66.34) 34.55,66.89 33.07,66.89 v1(32.22,66.04) 31.18,64.99 v1(28.9,64.99)
Net-(D24-K): length 10.4
  Top w0.25: v1(40.61,25.54) 40.87,25.8 40.87,30.98 40.63,31.23 40.63,32.81 38.77,34.67 v1(38.77,34.94)
  Bottom w0.25: D24.1 v1(40.61,25.54)
Net-(D25-K): length 14.7
  Top w0.25: v1(85.72,13) 85.65,13.07 85.65,25.87 v1(84.4,27.12)
  Bottom w0.25: D25.1 v1(85.72,13)
Net-(F1-Pad1): length 26.6
  Top w0.5: v1(103.2,53.17) 103.32,53.04 J3.A4 ; J3.A4 105.4,48.24 105.32,48.16 105.32,47.02 104.65,46.35 v1(104.55,46.35) 104.2,46.35 103.78,46.77 102.17,46.77 99.25,49.69 v1(99.25,51.14)
  Bottom w0.5: J3.A4 101.96,53.02 101.53,52.59 100.79,52.59 99.34,51.14 F1.1 ; v1(104.55,46.35) 104.65,46.35 105.33,47.02 105.33,48.15 105.4,48.23 J3.A4
Net-(J4-Pin_2): length 28.4
  Top w0.5: v1(30.37,28.06) 31.35,29.04 32.29,29.04 34.78,31.53 34.78,32.06 34.76,32.08 34.76,32.41 v1(33.89,33.28)
  Bottom w0.5: v1(33.89,33.28) 33.89,33.52 35.7,35.33 35.7,41.8 33.15,44.34 31.75,44.34 30.5,43.09 29.32,43.09 J4.2
Net-(U3-PROG): length 18.7
  Top w0.25: v1(50.03,40.29) 49.2,39.46 49.2,35.64 U3.5 47.4,31.74 v1(47.8,31.74)
  Bottom w0.25: v1(47.8,31.74) 46.95,30.89 U3.5 ; v1(55.5,39.92) 55.1,39.52 52.28,39.52 51.79,40.01 50.3,40.01 v1(50.03,40.29)
Net-(U3-STAT): length 8.5
  Top w0.25: v1(40.42,34.94) 40.42,34.72 42.35,32.79 U3.1 42.62,32.79 42.22,32.39 v1(42.22,31.79)
  Bottom w0.25: v1(42.22,31.79) 42.22,31.29 42.62,30.89 U3.1

## Copper pours and planes (outline as drawn; the poured copper is in the pictures)
GND on Top, Bottom: 76,90.51 95,90.51 95,88.11 114,88.11 114,85.81 114.5,36.64 134.6,24.41 120.2,-0.29 103.8,9.11 66.5,14.11 56.9,24.11 0,24.01 0,81.11 19,81.11 19,83.41 38,83.41 38,90.61 57,90.61 57,95.31 76,95.31

## Text on the board
B.Silkscreen: RED | BLUE | Skean V0.3 / By krikun98
F.Silkscreen: RED | BLUE | Skean V0.3 / By krikun98
